# Allegro board ultrasound_tnr_1000a_01_20171121.brd (continued)
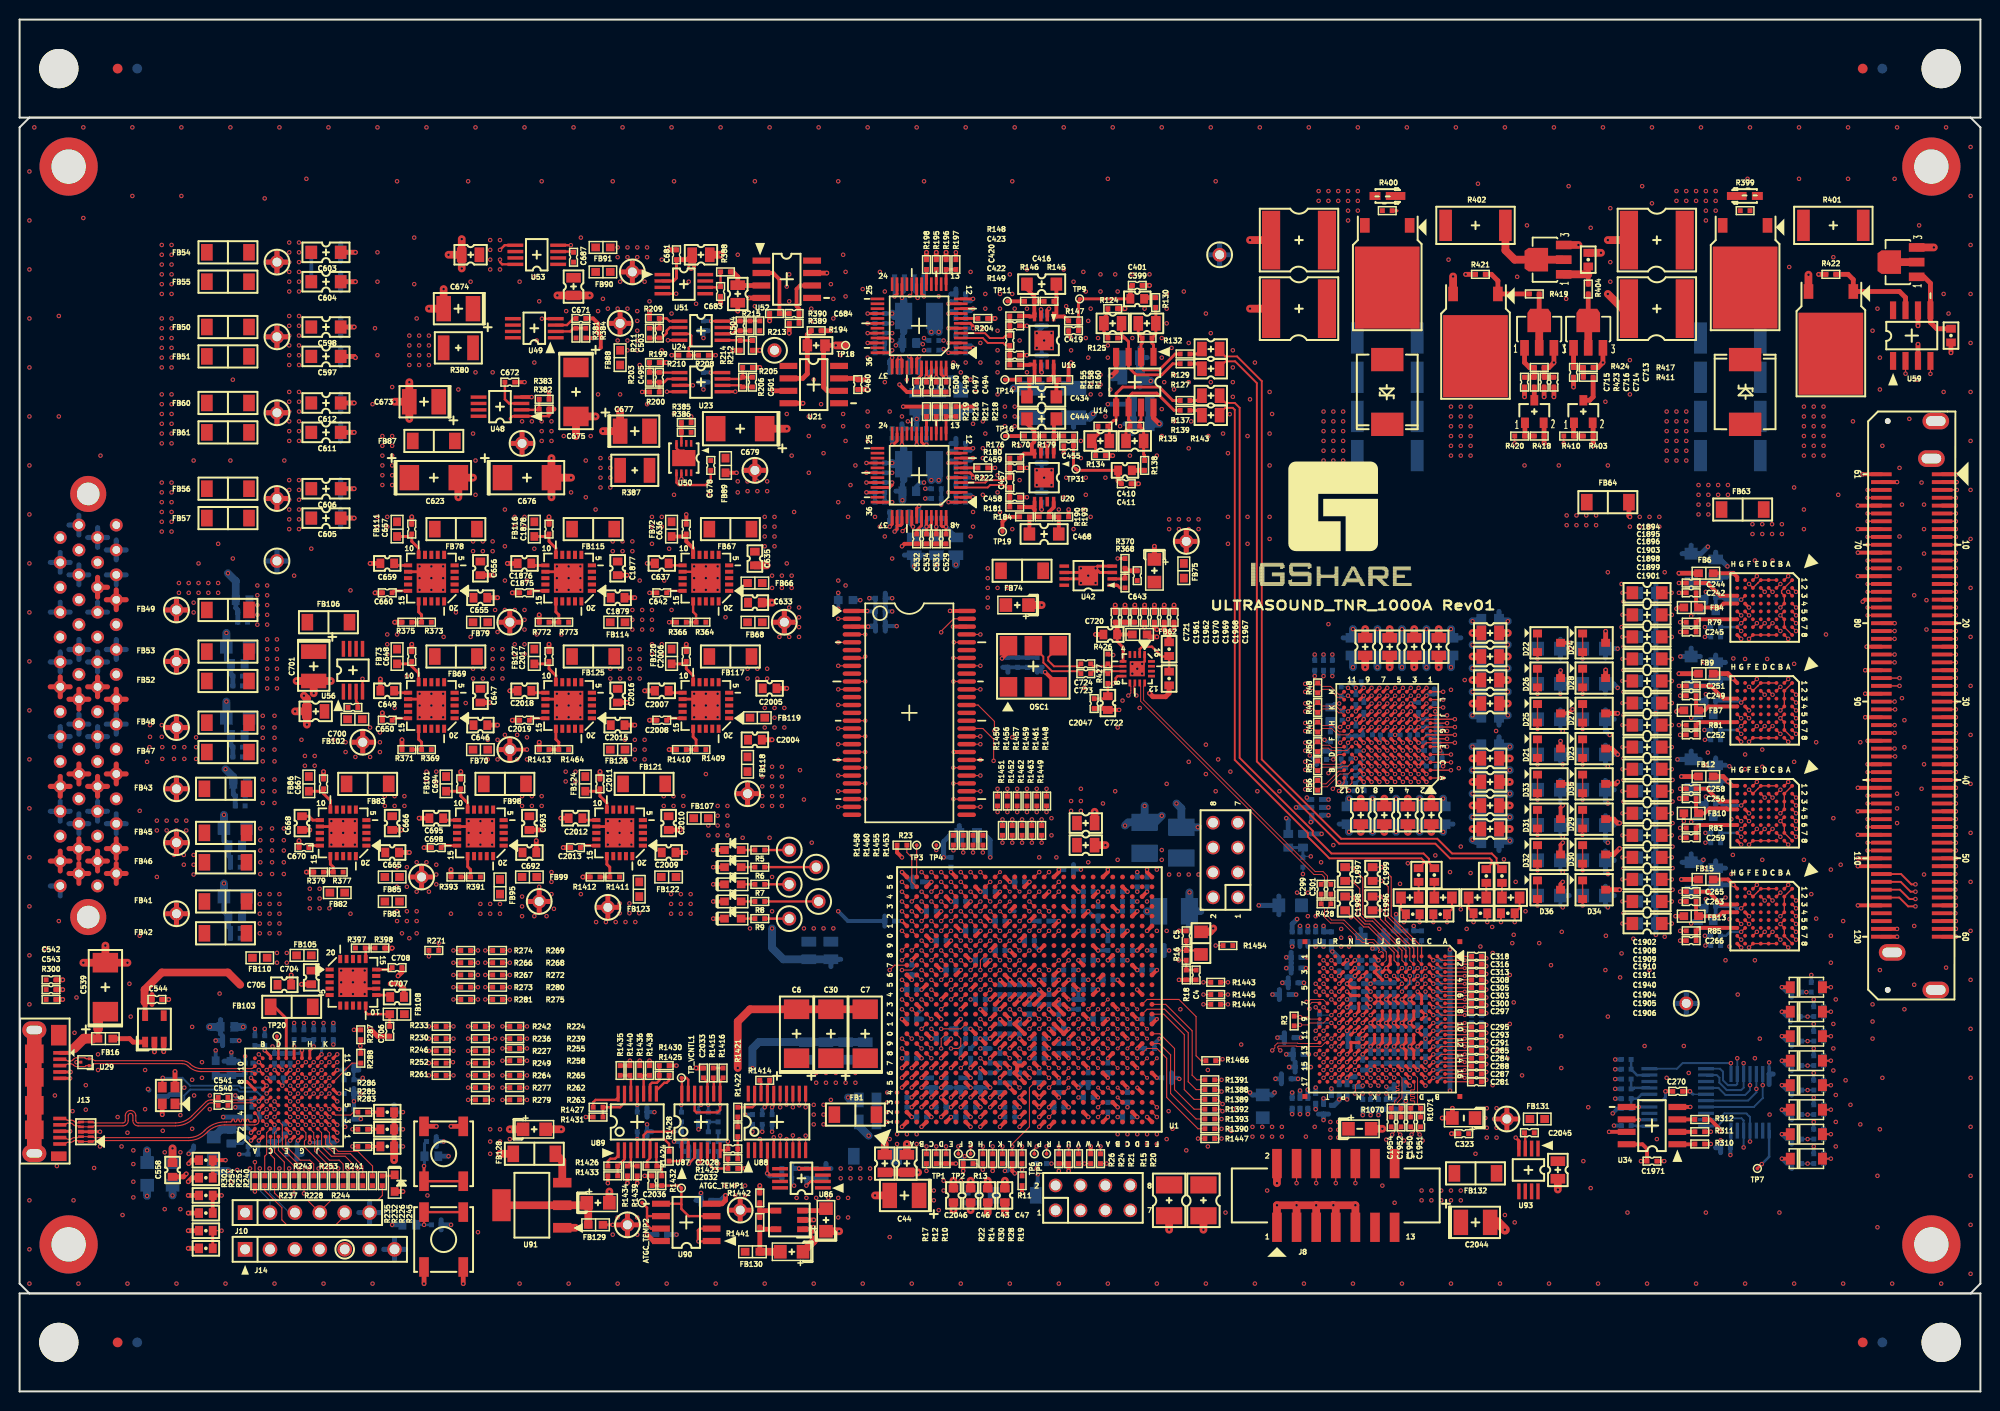
[diagram p0: board, top side]
## Routing (per net, layer and track width the routed paths; a pad name or vN(x,y) marks a point on that pad's centre or on a via; arc(x,y) is an arc through that point) (continued)
FLAGB: length 56.3
  TOP w0.115: R272.1 v1(50,42.5) ; U1.G17 v1(96,44)
  SIG2 w0.13: v1(50,42.5) 50.25,42.75 69.03,42.75 69.16,42.62 69.16,42.29 69.29,42.16 69.55,42.16 69.68,42.29 69.68,42.62 69.81,42.75 70.07,42.75 70.2,42.62 70.2,42.29 70.33,42.16 70.59,42.16 70.72,42.29 70.72,42.62 70.85,42.75 71.11,42.75 71.24,42.62 71.24,42.29 71.37,42.16 71.63,42.16 71.76,42.29 71.76,42.62 71.89,42.75 72.15,42.75 72.28,42.62 72.28,42.29 72.41,42.16 72.67,42.16 72.8,42.29 72.8,42.62 72.93,42.75 73.19,42.75 73.32,42.62 73.32,42.29 73.45,42.16 73.71,42.16 73.84,42.29 73.84,42.62 73.97,42.75 74.23,42.75 74.36,42.62 74.36,42.29 74.49,42.16 74.75,42.16 74.88,42.29 74.88,42.62 75.01,42.75 75.27,42.75 75.4,42.62 75.4,42.29 75.53,42.16 75.79,42.16 75.92,42.29 75.92,42.62 76.05,42.75 86.25,42.75 87.5,41.5 94.75,41.5 95.25,41.5 95.5,41.75 95.5,43.5 v1(96,44)
FLAGC: length 63.6
  TOP w0.115: R273.1 v1(46.75,41.25) ; v1(97,43) U1.H17
  SIG2 w0.13: v1(97,43) 96.5,42.5 96.5,40.75 96.25,40.5 87.75,40.5 86.5,41.75 62.27,41.75 62.14,41.88 62.14,42.23 62.01,42.36 61.75,42.36 61.62,42.23 61.62,41.88 61.49,41.75 61.23,41.75 61.1,41.88 61.1,42.23 60.97,42.36 60.71,42.36 60.58,42.23 60.58,41.88 60.45,41.75 60.19,41.75 60.06,41.88 60.06,42.23 59.93,42.36 59.67,42.36 59.54,42.23 59.54,41.88 59.41,41.75 59.15,41.75 59.02,41.88 59.02,42.23 58.89,42.36 58.63,42.36 58.5,42.23 58.5,41.88 58.37,41.75 58.11,41.75 57.98,41.88 57.98,42.23 57.85,42.36 57.59,42.36 57.46,42.23 57.46,41.88 57.33,41.75 57.07,41.75 56.94,41.88 56.94,42.23 56.81,42.36 56.55,42.36 56.42,42.23 56.42,41.88 56.29,41.75 56.03,41.75 55.9,41.88 55.9,42.23 55.77,42.36 55.51,42.36 55.38,42.23 55.38,41.88 55.25,41.75 54.99,41.75 54.86,41.88 54.86,42.23 54.73,42.36 54.47,42.36 54.34,42.23 54.34,41.88 54.21,41.75 53.95,41.75 53.82,41.88 53.82,42.23 53.69,42.36 53.43,42.36 53.3,42.23 53.3,41.88 53.17,41.75 52.91,41.75 52.78,41.88 52.78,42.23 52.65,42.36 52.39,42.36 52.26,42.23 52.26,41.88 52.13,41.75 47.25,41.75 v1(46.75,41.25)
FLAGD: length 56.8
  TOP w0.115: R275.1 v1(50,40) ; U1.L17 v1(101,43)
  SIG2 w0.13: v1(50,40) 85,40 87.5,37.5 96.73,37.5 97.73,38.5 98.25,38.5 99.5,39.75 99.5,40.5 100.5,41.5 100.5,42.5 v1(101,43)
FPGA_CLKN: length 34.5
  TOP w0.095: U60.10 113.75,72.05 113.65,71.95 113.65,71.69 113.65,71.28 v1(113.91,71.02) ; U1.N22 v1(102,48)
  SIG4 w0.105: v1(113.91,71.02) 113.63,70.73 113.63,70.4 113.69,70.33 113.83,70.33 113.9,70.26 113.9,70.17 113.83,70.1 113.69,70.1 113.63,70.03 113.63,68.21 106.5,61.09 106.5,56.79 104.72,55.01 102.11,55.01 100.61,53.51 100.61,47.82 100.81,47.62 101.89,47.62 102,47.73 v1(102,48)
FPGA_CLKP: length 34.6
  TOP w0.095: v1(113.09,71.02) 113.35,71.28 113.35,71.56 113.35,71.95 113.25,72.05 U60.9 ; U1.N21 v1(102,47)
  SIG4 w0.105: v1(102,47) 102,47.27 101.89,47.38 100.7,47.38 100.36,47.72 100.36,53.61 102.01,55.26 104.62,55.26 106.25,56.89 106.25,61.19 113.38,68.32 113.38,70.73 v1(113.09,71.02)
FPGA_INT: length 81
  TOP w0.115: 34.8,35.3 v1(34.75,35.25) ; R287.2 34.8,35.7 ; v1(93,47) U1.D20
  TOP w0.3: 34.8,35.7 R288.1
  SIG2 w0.13: v1(93,47) 92.5,47.5 89.25,47.5 87.75,46 60.37,46 60.24,46.13 60.24,46.63 60.11,46.76 59.85,46.76 59.72,46.63 59.72,46.13 59.59,46 59.33,46 59.2,46.13 59.2,46.63 59.07,46.76 58.81,46.76 58.68,46.63 58.68,46.13 58.55,46 58.29,46 58.16,46.13 58.16,46.63 58.03,46.76 57.77,46.76 57.64,46.63 57.64,46.13 57.51,46 57.25,46 57.12,46.13 57.12,46.63 56.99,46.76 56.73,46.76 56.6,46.63 56.6,46.13 56.47,46 56.21,46 56.08,46.13 56.08,46.63 55.95,46.76 55.69,46.76 55.56,46.63 55.56,46.13 55.43,46 55.17,46 55.04,46.13 55.04,46.63 54.91,46.76 54.65,46.76 54.52,46.63 54.52,46.13 54.39,46 54.13,46 54,46.13 54,46.63 53.87,46.76 53.61,46.76 53.48,46.63 53.48,46.13 53.35,46 53.09,46 52.96,46.13 52.96,46.63 52.83,46.76 52.57,46.76 52.44,46.63 52.44,46.13 52.31,46 52.05,46 51.92,46.13 51.92,46.63 51.79,46.76 51.53,46.76 51.4,46.63 51.4,46.13 51.27,46 51.01,46 50.88,46.13 50.88,46.63 50.75,46.76 50.49,46.76 50.36,46.63 50.36,46.13 50.23,46 49.97,46 49.84,46.13 49.84,46.63 49.71,46.76 49.45,46.76 49.32,46.63 49.32,46.13 49.19,46 43.75,46 42.92,45.17 41.57,45.17 41,44.6 41,44 36.25,39.25 36.25,36.5 35,35.25 v1(34.75,35.25)
FPGA_TCK: length 42.1
  TOP w0.115: J8.6 v1(132.25,21.25) ; R13.1 97.62,23.25 v1(98.25,22.62) R22.2
  SIG1 w0.13: v1(132.25,21.25) 132.25,21 130.75,19.5 104.25,19.5 102.75,21 98.5,21 98.25,21.25 v1(98.25,22.62)
  BOTTOM w0.115: R13.1 97.62,23.25 v1(98.25,22.62)
FPGA_TDI: length 32.3
  TOP w0.115: J8.10 v1(136.25,21.25) ; R15.1 v1(108.62,23.25) R21.2
  SIG1 w0.13: v1(136.25,21.25) 133.75,23.75 108.88,23.75 108.62,23.5 v1(108.62,23.25)
FPGA_TDO: length 26.8
  TOP w0.115: J8.8 v1(134.25,21.25) ; R20.2 v1(110.88,23.25)
  SIG1 w0.13: v1(110.88,23.25) 132.25,23.25 v1(134.25,21.25)
FPGA_TMS: length 33
  TOP w0.115: J8.4 v1(130.25,21.25) ; R11.1 v1(102.25,22.62) R19.2
  SIG1 w0.13: v1(102.25,22.62) 102.25,22.38 104.62,20 129,20 v1(130.25,21.25)
FSLC0: length 11.6
  TOP w0.115: U26.B2 v1(24.4,26.4)
  TOP w0.4: R293.1 R296.2 v1(20.6,20)
  SIG1 w0.13: v1(24.4,26.4) 24,26 24,24.6 22.8,23.4 22.8,21.6 21.2,20 v1(20.6,20)
FSLC1: length 10.6
  TOP w0.115: U26.B4 v1(25.2,28.8)
  TOP w0.4: v1(21,23.6) R294.1 R297.2
  SIG1 w0.13: v1(25.2,28.8) 21,24.6 v1(21,23.6)
FSLC2: length 21.2
  TOP w0.115: 19.6,16.4 R298.2 v1(20.6,16.4) ; U26.E6 v1(27.6,29.6)
  TOP w0.3: R295.1 R298.2
  SIG4 w0.13: v1(27.6,29.6) 27.4,29.6 26.8,29 26.8,24.8 26,24 26,20.75 24.75,19.5 22,19.5 20.6,18.1 v1(20.6,16.4)
FX3_CLK: length 56.9
  TOP w0.115: v1(94,45) U1.E18 ; R265.1 v1(51.75,32.25)
  SIG3 w0.13: v1(51.75,32.25) 54.66,32.25 57.99,35.58 57.99,35.95 58.12,36.08 59,36.08 59.13,36.21 59.13,36.54 58.77,36.9 58.77,37.09 58.95,37.27 59.14,37.27 59.61,36.8 59.8,36.8 59.98,36.98 59.98,37.16 59.5,37.64 59.5,37.82 59.69,38.01 59.87,38.01 60.35,37.53 60.53,37.53 60.71,37.71 60.71,37.9 60.48,38.13 60.48,38.44 61.03,38.99 61.03,39.18 60.7,39.51 60.7,39.7 60.88,39.88 61.06,39.88 61.4,39.54 61.58,39.54 61.77,39.73 61.77,39.91 61.43,40.25 61.43,40.43 61.61,40.61 61.8,40.61 62.05,40.36 62.4,40.36 63.55,41.51 93.37,41.51 93.5,41.64 93.5,44.5 v1(94,45)
GPIO1: length 59.8
  TOP w0.115: v1(98,41) U1.J15 ; R277.1 v1(48.25,31)
  SIG3 w0.13: v1(98,41) U1.J15 98.5,42.25 98.25,42.5 94.75,42.5 94.5,42.25 94.5,41.75 93.25,40.5 64.57,40.5 63.77,39.7 63.59,39.7 63.45,39.84 63.27,39.84 63.08,39.65 63.08,39.47 63.27,39.28 63.27,39.1 63.09,38.91 62.9,38.91 62.72,39.1 62.53,39.1 62.35,38.92 62.35,38.73 62.53,38.55 62.53,38.36 55.67,31.5 48.75,31.5 v1(48.25,31)
GPIO2: length 61.6
  TOP w0.115: v1(98,42) U1.J16 ; R279.1 v1(48.25,29.75)
  SIG3 w0.13: v1(98,42) 97.5,41.5 94.75,41.5 94.5,41.25 94.5,39.75 94.25,39.5 64.95,39.5 64.54,39.09 64.54,38.91 64.99,38.47 64.99,38.29 64.8,38.1 64.62,38.1 64.18,38.54 63.99,38.54 63.81,38.36 63.81,38.18 64.25,37.73 64.25,37.55 64.07,37.37 63.88,37.37 63.44,37.81 63.26,37.81 63.07,37.62 63.07,37.44 63.51,37 63.51,36.81 63.33,36.63 63.15,36.63 62.72,37.06 62.51,37.06 55.7,30.25 48.72,30.25 48.25,29.78 v1(48.25,29.75)
GPIO45: length 23
  TOP w0.115: U26.F2 v1(28.4,26.4)
  TOP w0.25: SW1.2 SW1.1
  TOP w0.3: SW1.1 v1(41.25,23)
  SIG3 w0.13: v1(41.25,23) 37,23 34,26 28.8,26 v1(28.4,26.4)
  BOTTOM w0.3: C535.1 41.3,25.3 R270.1 41.3,23.05 v1(41.25,23)
GPIO[50]: length 87.3
  TOP w0.115: R10.1 v1(94.5,25) ; U1.J7 v1(98,34) ; R237.1 v1(28,20.2)
  SIG1 w0.13: v1(28,20.2) 28,19.75 28.25,19.5 29.95,19.5 30.25,19.8 37.45,19.8 38.45,18.8 67.7,18.8 71.5,15 86.75,15 94.5,22.75 v1(94.5,25)
  SIG4 w0.13: v1(98,34) 97.5,33.5 97.5,29.25 94.5,26.25 v1(94.5,25)
GPIO[52]: length 83.1
  TOP w0.115: R243.1 v1(29,20.2) ; R12.1 v1(93.5,25) ; U1.G7 v1(96,33)
  SIG1 w0.13: v1(93.5,25) 93.5,22.65 86.35,15.5 71.75,15.5 68.05,19.2 38.8,19.2 37.8,20.2 v1(29,20.2)
  SIG4 w0.13: v1(96,33) 95.5,32.5 95.5,27.75 93.5,25.75 v1(93.5,25)
GPIO_RSV_N0: length 42.7
  TOP w0.095: U1.T25 v1(106,52)
  SIG3 w0.105: v1(106,52) 106,51.73 106.11,51.62 106.27,51.62 106.84,52.2 106.84,56.66 107.38,57.19 108.31,57.19 108.56,56.94 108.56,56.09 108.66,55.99 109.08,55.99 109.19,56.09 109.19,56.94 109.44,57.19 113.48,57.19 113.73,56.94 113.73,56.13 113.84,56.03 114.26,56.03 114.36,56.13 114.36,56.94 114.61,57.19 115.51,57.19 115.96,56.74 115.96,55.34 115.5,54.88 110.22,54.88 109.91,54.57 109.91,52.9 110.36,52.45 116.15,52.45 116.79,51.81 121.44,51.81 121.73,52.1 J1.4
GPIO_RSV_N1: length 42.7
  TOP w0.095: U1.R20 v1(105,47)
  SIG3 w0.105: J1.8 121.73,57.11 121.92,56.92 122.07,56.92 123,57.85 123,60.37 123.58,60.95 125.31,60.95 126,60.26 126,50.1 122.1,46.2 105.78,46.2 105.38,46.6 105.38,46.9 105.27,47 v1(105,47)
GPIO_RSV_N2: length 14.4
  TOP w0.115: U1.AB4 v2(111,31)
  SIG3 w0.13: v2(111,31) 110.5,30.5 110.5,26.75 109.75,26 109.75,24.5 109.5,24.25 109.5,19.75 108.23,18.48 J18.3
GPIO_RSV_N3: length 13.8
  TOP w0.115: U1.AC3 v2(112,30)
  SIG3 w0.13: J18.7 113.29,18.54 114.5,19.75 114.5,22.5 112.5,24.5 U1.AC3 v2(112,30)
GPIO_RSV_N4: length 31.9
  TOP w0.115: U1.F10 96,36 96,35.25 95.75,35 v1(95,35)
  SIG2 w0.13: J18.4 108.25,21.06 108.25,22.25 107.5,23 107.5,25.25 107.25,25.5 95,25.5 93.5,27 93.5,35.25 93.75,35.5 94.5,35.5 v1(95,35)
GPIO_RSV_N5: length 33.7
  TOP w0.115: U1.D10 v1(93,37)
  SIG2 w0.13: J18.8 112.48,21.02 109.75,23.75 109.75,25.25 108.5,26.5 96.5,26.5 95.5,27.5 95.5,36.37 95.37,36.5 U1.D10 v1(93,37)
GPIO_RSV_P0: length 42.7
  TOP w0.095: U1.T24 v1(106,51)
  SIG3 w0.105: J1.2 121.73,51.3 121.47,51.56 116.69,51.56 116.05,52.2 110.26,52.2 109.66,52.8 109.66,54.67 110.12,55.13 115.4,55.13 115.71,55.44 115.71,56.64 115.41,56.94 114.72,56.94 114.61,56.84 114.61,56.03 114.36,55.78 113.73,55.78 113.48,56.03 113.48,56.84 113.38,56.94 109.54,56.94 109.44,56.84 109.44,55.99 109.19,55.74 108.56,55.74 108.31,55.99 108.31,56.84 108.2,56.94 107.48,56.94 107.09,56.55 107.09,52.09 106.38,51.38 106.11,51.38 106,51.27 v1(106,51)
GPIO_RSV_P1: length 42.7
  TOP w0.095: U1.T20 v1(106,47)
  SIG3 w0.105: J1.6 121.73,56.43 121.94,56.65 122.14,56.65 123.25,57.75 123.25,60.27 123.68,60.7 125.21,60.7 125.75,60.16 125.75,50.2 122,46.45 107.65,46.45 107.58,46.52 107.58,46.66 107.51,46.73 107.42,46.73 107.35,46.66 107.35,46.52 107.28,46.45 107.19,46.45 107.12,46.52 107.12,46.66 107.05,46.73 106.95,46.73 106.89,46.66 106.89,46.52 106.82,46.45 106.72,46.45 106.65,46.52 106.65,46.66 106.59,46.73 106.49,46.73 106.42,46.66 106.42,46.52 106.35,46.45 105.88,46.45 105.62,46.7 105.62,46.9 105.73,47 v1(106,47)
GPIO_RSV_P2: length 15.1
  TOP w0.115: U1.AA4 v2(110,31)
  SIG3 w0.13: v2(110,31) 109.5,30.5 109.5,27 108.75,26.25 108.75,24.75 108,24 108,22.5 107,21.5 107,19.75 105.73,18.48 J18.1
GPIO_RSV_P3: length 14.2
  TOP w0.115: U1.AC4 v2(112,31)
  SIG3 w0.13: J18.5 110.75,18.5 112,19.75 112,23.5 111.5,24 111.5,30.5 v2(112,31)
GPIO_RSV_P4: length 28.5
  TOP w0.115: v1(94,37) 96,37 U1.G11
  SIG3 w0.13: v1(94,37) 94.5,36.5 94.5,26.5 95.25,25.75 103.75,25.75 104.25,25.25 104.25,23.25 105.67,21.83 J18.2
GPIO_RSV_P5: length 29.9
  TOP w0.115: U1.E10 94,36 v1(94,35)
  SIG2 w0.13: J18.6 110.75,22 108.5,24.25 108.5,25.5 108,26 95.5,26 94.5,27 94.5,34.5 v1(94,35)
HV_AHVN1: length 28.9
  TOP w0.3: U3.J5 v1(141.1,69.4) ; U3.K8 v1(138.7,70.2) ; U3.L8 v1(138.7,71) ; U3.J7 v1(139.5,69.4) ; U3.J6 v1(140.3,69.4) ; U3.M8 v1(138.7,71.8) ; U3.J8 v1(138.7,69.4) ; U3.J4 v1(141.9,69.4) ; U3.H4 v1(141.9,68.6)
  TOP w0.527: TH2.1 27.31,115.25 ; TH2.1 26.25,116.31 ; TH2.1 25.19,115.25 ; TH2.1 26.25,114.19
  TOP w0.8: C166.1 v1(148.2,77.4) ; C165.1 v1(148.2,75) ; C167.1 v1(148.2,70.2) ; C163.1 v1(148.2,72.6)
  VCC2 w0.527: 26.25,114.19 TH2.1 ; TH2.1 26.25,116.31 ; TH2.1 27.31,115.25 ; TH2.1 25.19,115.25
  BOTTOM w0.4: C604.1 C603.1
  BOTTOM w0.527: TH2.1 27.31,115.25 ; TH2.1 25.19,115.25 ; TH2.1 26.25,114.19 ; TH2.1 26.25,116.31
  BOTTOM w0.8: C171.1 v1(148.2,76.2) ; C169.1 v1(148.2,71.4) ; C164.1 v1(148.2,78.6) ; C168.1 v1(148.2,69) ; C170.1 v1(148.2,73.8)
  vias: v1(27.5,117.25) v1(27.5,116.25) v1(27.5,115.25) v1(27.5,114.25) v1(27.5,113.25) v1(27.5,112.25) v1(28.5,117.25) v1(28.5,116.25) v1(28.5,115.25) v1(28.5,114.25) v1(28.5,113.25) v1(28.5,112.25) v1(157.8,89.4) v1(157.8,88.4) v1(158.8,89.4) v1(158.8,88.4) v1(159.8,89.4) v1(159.8,88.4) v1(160.8,89.4) v1(160.8,88.4)
HV_AHVN1_IN: length 14.2
  SIG3 w0.527: J12.57 4.14,88.16 ; J12.57 5.15,87.14 ; J12.57 4.14,86.13 ; J12.57 3.13,87.14 ; 5.04,85.88 J12.55 ; J12.55 6.05,86.89 ; J12.55 6.05,84.86
  VCC2 w0.527: J12.57 5.15,87.14 ; J12.57 4.14,88.16 ; J12.57 3.13,87.14 ; J12.57 4.14,86.13 ; 5.04,85.88 J12.55 ; J12.55 6.05,84.86 ; J12.55 6.05,86.89
  vias: v1(14.5,117) v1(14.5,116) v1(14.5,115) v1(14.5,114) v1(14.5,113) v1(14.5,112) v1(15.5,117) v1(15.5,116) v1(15.5,115) v1(15.5,114) v1(15.5,113) v1(15.5,112)
HV_AHVN2: length 12.7
  TOP w0.527: 25.19,99.88 TH4.1 ; TH4.1 26.25,98.81 ; TH4.1 27.31,99.88 ; TH4.1 26.25,100.94
  SIG4 w0.527: 25.19,99.88 TH4.1 ; TH4.1 26.25,100.94 ; TH4.1 27.31,99.88 ; TH4.1 26.25,98.81
  BOTTOM w0.527: 25.19,99.88 TH4.1 ; TH4.1 26.25,98.81 ; TH4.1 26.25,100.94 ; TH4.1 27.31,99.88
  vias: v1(27.5,102) v1(27.5,101) v1(27.5,100) v1(27.5,99) v1(27.5,98) v1(27.5,97) v1(28.5,102) v1(28.5,101) v1(28.5,100) v1(28.5,99) v1(28.5,98) v1(28.5,97) v1(132.5,122.5) v1(132.5,121.5) v1(133.5,122.5) v1(133.5,121.5) v1(134.5,122.5) v1(134.5,121.5) v1(135.5,122.5) v1(135.5,121.5) v1(135.5,120.5) v1(135.5,119.5) v1(136.5,122.5) v1(136.5,121.5) v1(136.5,120.5)
HV_AHVN2_IN: length 16.2
  SIG4 w0.527: J12.56 9.86,86.89 ; J12.56 10.87,85.88 ; J12.56 8.85,85.88 ; J12.56 9.86,84.86 ; J12.58 8.96,87.14 ; J12.58 7.95,88.16 ; J12.58 7.95,86.13 ; J12.58 6.94,87.14
  BOTTOM w0.527: J12.58 7.95,88.16 ; J12.58 6.94,87.14 ; J12.58 7.95,86.13 ; J12.58 8.96,87.14 ; J12.56 9.86,86.89 ; J12.56 9.86,84.86 ; J12.56 10.87,85.88 ; J12.56 8.85,85.88
  vias: v1(14.5,101.75) v1(14.5,100.75) v1(14.5,99.75) v1(14.5,98.75) v1(14.5,97.75) v1(14.5,96.75) v1(15.5,101.75) v1(15.5,100.75) v1(15.5,99.75) v1(15.5,98.75) v1(15.5,97.75) v1(15.5,96.75)
HV_AHVP1: length 26
  TOP w0.3: U3.D7 v1(139.5,64.6) ; U3.D6 v1(140.3,64.6) ; U3.C8 v1(138.7,63.8) ; U3.D5 v1(141.1,64.6) ; U3.B8 v1(138.7,63) ; U3.D8 v1(138.7,64.6) ; U3.A8 v1(138.7,62.2) ; U3.E4 v1(141.9,65.4) ; U3.D4 v1(141.9,64.6)
  TOP w0.527: TH1.1 27.31,107.62 ; TH1.1 26.25,108.69 ; TH1.1 25.19,107.62 ; TH1.1 26.25,106.56
  TOP w0.8: C143.1 v1(148.2,59.8) ; C142.1 v1(148.2,64.6) ; C146.1 v1(148.2,57.4) ; C144.1 v1(148.2,62.2)
  VCC1 w0.527: TH1.1 27.31,107.62 ; TH1.1 26.25,108.69 ; TH1.1 26.25,106.56 ; TH1.1 25.19,107.62
  BOTTOM w0.527: TH1.1 27.31,107.62 ; TH1.1 26.25,108.69 ; TH1.1 26.25,106.56 ; TH1.1 25.19,107.62
  BOTTOM w0.8: v1(148.2,56.3) 148.4,56.3 148.5,56.2 C149.1 ; C147.1 v1(148.2,63.4) ; C145.1 v1(148.2,65.8) ; C141.1 v1(148.2,61) ; C148.1 v1(148.2,58.6)
  vias: v1(27.5,109.75) v1(27.5,108.75) v1(27.5,107.75) v1(27.5,106.75) v1(27.5,105.75) v1(27.5,104.75) v1(28.5,109.75) v1(28.5,108.75) v1(28.5,107.75) v1(28.5,106.75) v1(28.5,105.75) v1(28.5,104.75)
HV_AHVP1_IN: length 16.2
  VCC1 w0.527: 5.04,80.8 J12.47 ; J12.47 6.05,81.81 ; J12.47 7.06,80.8 ; J12.47 6.05,79.78 ; 4.14,81.05 J12.49 ; J12.49 3.13,82.06 ; J12.49 5.15,82.06 ; J12.49 4.14,83.08
  SIG2 w0.527: J12.49 5.15,82.06 ; J12.49 4.14,81.05 ; J12.49 3.13,82.06 ; J12.49 4.14,83.08 ; J12.47 7.06,80.8 ; J12.47 5.04,80.8 ; J12.47 6.05,81.81 ; J12.47 6.05,79.78
  vias: v1(14.5,109.5) v1(14.5,108.5) v1(14.5,107.5) v1(14.5,106.5) v1(14.5,105.5) v1(14.5,104.5) v1(15.5,109.5) v1(15.5,108.5) v1(15.5,107.5) v1(15.5,106.5) v1(15.5,105.5) v1(15.5,104.5)
HV_AHVP2: length 12.7
  TOP w0.527: TH3.1 27.31,91.12 ; TH3.1 26.25,90.06 ; TH3.1 25.19,91.12 ; TH3.1 26.25,92.19
  SIG1 w0.527: TH3.1 27.31,91.12 ; TH3.1 25.19,91.12 ; TH3.1 26.25,92.19 ; TH3.1 26.25,90.06
  BOTTOM w0.527: TH3.1 26.25,92.19 ; TH3.1 25.19,91.12 ; TH3.1 27.31,91.12 ; TH3.1 26.25,90.06
  vias: v1(27.5,93) v1(27.5,92) v1(27.5,91) v1(27.5,90) v1(27.5,89) v1(27.5,88) v1(28.5,93) v1(28.5,92) v1(28.5,91) v1(28.5,90) v1(28.5,89) v1(28.5,88) v1(169,122.5) v1(169,121.5) v1(170,122.5) v1(170,121.5) v1(171,122.5) v1(171,121.5) v1(172,122.5) v1(172,121.5) v1(172,120.5) v1(172,119.5) v1(173,122.5) v1(173,121.5) v1(173,120.5)
HV_AHVP2_IN: length 14.2
  TOP w0.527: J12.50 7.95,83.08 ; J12.50 8.96,82.06 ; J12.50 7.95,81.05 ; J12.48 10.87,80.8 ; J12.48 8.85,80.8 ; J12.48 9.86,81.81 ; J12.48 9.86,79.78
  SIG1 w0.527: J12.48 10.87,80.8 ; J12.48 8.85,80.8 ; J12.48 9.86,81.81 ; J12.48 9.86,79.78 ; J12.50 7.95,83.08 ; J12.50 7.95,81.05 ; J12.50 8.96,82.06
  vias: v1(14.5,92.75) v1(14.5,91.75) v1(14.5,90.75) v1(14.5,89.75) v1(14.5,88.75) v1(14.5,87.75) v1(15.5,92.75) v1(15.5,91.75) v1(15.5,90.75) v1(15.5,89.75) v1(15.5,88.75) v1(15.5,87.75)
HVMUX_CLK: length 132.3
  TOP w0.115: R1450.2 v1(99.75,61.5)
  TOP w0.14: U6.G5 v1(176.4,58.2) ; U4.G5 v1(176.4,79.2) ; U7.G5 v1(176.4,47.7) ; U5.G5 v1(176.4,68.7)
  SIG2 w0.13: v1(176.4,47.7) 176.8,48.1 176.8,57.8 v1(176.4,58.2) 176.8,58.6 176.8,68.3 v1(176.4,68.7) 176.8,69.1 176.8,78.8 v1(176.4,79.2) 176.8,79.6 176.8,83.8 173,87.6 155.6,87.6 154.4,88.8 134,88.8 112.2,67 102.6,67 99.75,64.15 v1(99.75,61.5)
HVMUX_CLR: length 123.6
  TOP w0.115: R1449.2 v1(104.25,58.38)
  SIG2 w0.13: v1(171.95,45.5) 171.7,45.5 171.2,46 171.2,55 171.95,55.75 v1(171.95,56) 171.95,56.25 171.2,57 171.2,65.6 171.9,66.3 v1(171.9,66.5) 171.9,66.7 171.2,67.4 171.2,74.75 171.9,75.45 v1(171.9,77) 171.75,77 171.25,77.5 171.25,82.75 170,84 153.8,84 152.8,85 137,85 114.5,62.5 104.75,62.5 104.25,62 v1(104.25,58.38)
  BOTTOM w0.25: v1(171.9,66.5) R82.2 ; R80.2 v1(171.9,77) ; v1(171.95,56) R84.2 ; v1(171.95,45.5) R86.2
HVMUX_DIN0: length 99.5
  TOP w0.115: R1451.2 v1(100.25,58.38)
  TOP w0.14: U4.H5 v1(175.6,79.2)
  SIG2 w0.13: v1(100.25,58.38) 100.25,64 102.75,66.5 112.5,66.5 134.4,88.4 154.2,88.4 155.4,87.2 172.8,87.2 176,84 176,79.6 v1(175.6,79.2)
HVMUX_DIN1: length 106.3
  TOP w0.115: R1452.2 v1(101.25,58.38)
  TOP w0.14: U5.H5 v1(175.6,68.7)
  SIG2 w0.13: v1(101.25,58.38) 101.25,63.5 103.25,65.5 113,65.5 135.1,87.6 153.8,87.6 155,86.4 171.2,86.4 174.7,82.9 174.7,76.5 175.2,76 U5.H5 v1(175.6,68.7)
HVMUX_DIN2: length 114.1
  TOP w0.115: R1462.2 v1(102.25,58.38)
  TOP w0.14: U6.H5 v1(175.6,58.2)
  SIG2 w0.13: v1(102.25,58.38) 102.25,63 103.75,64.5 113.5,64.5 135.8,86.8 153.4,86.8 154.6,85.6 170.8,85.6 173.9,82.5 173.9,68.3 174.6,67.6 174.6,64.4 175,64 175,58.8 v1(175.6,58.2)
HVMUX_DIN3: length 121.9
  TOP w0.115: R1463.2 v1(103.25,58.38)
  TOP w0.14: U7.H5 v1(175.6,47.7)
  SIG2 w0.13: v1(175.6,47.7) 173.1,50.2 173.1,82.1 170.4,84.8 154.2,84.8 153.1,85.9 136.4,85.9 114,63.5 104.25,63.5 103.25,62.5 v1(103.25,58.38)
HVMUX_DOUT0: length 96.3
  TOP w0.115: R1456.2 v1(100.75,61.5)
  TOP w0.14: U4.H7 v1(175.6,77.6)
  SIG2 w0.13: v1(175.6,77.6) U4.H7 175.2,84 172.4,86.8 155.2,86.8 154,88 134.75,88 112.75,66 103,66 100.75,63.75 v1(100.75,61.5)
HVMUX_DOUT1: length 103.5
  TOP w0.115: R1457.2 v1(101.75,61.5)
  TOP w0.14: U5.H7 v1(175.6,67.1)
  SIG2 w0.13: v1(175.6,67.1) 174.3,68.4 174.3,82.7 171,86 154.8,86 153.6,87.2 135.45,87.2 113.25,65 103.5,65 101.75,63.25 v1(101.75,61.5)
HVMUX_DOUT2: length 111.4
  TOP w0.115: R1459.2 v1(102.75,61.5)
  TOP w0.14: U6.H7 v1(175.6,56.6)
  SIG2 w0.13: v1(102.75,61.5) 102.75,62.75 104,64 113.75,64 136.15,86.4 153.2,86.4 154.4,85.2 170.6,85.2 173.5,82.3 173.5,58.7 v1(175.6,56.6)
HVMUX_DOUT3: length 119.1
  TOP w0.115: R1461.2 v1(103.75,61.5)
  TOP w0.14: U7.H7 v1(175.6,46.1)
  SIG2 w0.13: v1(103.75,61.5) 103.75,62.25 104.5,63 114.25,63 136.75,85.5 152.9,85.5 154,84.4 170.2,84.4 172.7,81.9 172.7,49 v1(175.6,46.1)
HVMUX_EN: length 117.1
  TOP w0.115: R1448.2 v1(104.75,61.5)
  TOP w0.15: R83.2 v1(169.38,57.5) ; v1(169.25,68) R81.2 ; R79.2 v1(169.38,78.5) ; R85.2 v1(169.38,47)
  SIG2 w0.13: 169.5,78.5 170,78 170,68.75 v1(169.25,68) 169.75,68 170,67.75 170,59.5 169.25,58.75 169.25,57.75 169.38,57.62 v1(169.38,57.5) 170,56.88 170,47.5 169.5,47 v1(169.38,47) ; 169.5,78.5 170,79 170,82.6 169.6,83 154.2,83 152.7,84.5 137.25,84.5 114.75,62 105,62 104.75,61.75 v1(104.75,61.5) ; 169.5,78.5 v1(169.38,78.5)
HVN_CW: length 15.9
  TOP w0.3: U3.J9 v1(137.9,69.4) ; U3.H5 v1(141.1,68.6) ; U3.H7 v1(139.5,68.6) ; U3.L9 v1(137.9,71) ; U3.H8 v1(138.7,68.6) ; U3.H6 v1(140.3,68.6) ; U3.M9 v1(137.9,71.8) ; U3.H9 v1(137.9,68.6) ; U3.K9 v1(137.9,70.2)
  TOP w0.8: C173.1 v1(137.25,73.9) ; C172.1 v1(139.75,73.9) ; C176.1 v1(144.75,73.9) ; C180.1 v1(142.25,73.9)
  BOTTOM w0.8: C177.1 v1(136,73.9) ; C175.1 v1(143.5,73.9) ; C174.1 v1(138.5,73.9) ; C179.1 v1(146,73.9) ; C178.1 v1(141,73.9)
  vias: v1(133,100) v1(133,99) v1(133,98) v1(133,97) v1(133,96) v1(133,95) v1(134,100) v1(134,99) v1(134,98) v1(134,97) v1(134,96) v1(134,95) v1(135,100) v1(135,99) v1(135,98) v1(135,97) v1(135,96) v1(135,95)
HVP_CW: length 12.3
  TOP w0.3: U3.C9 v1(137.9,63.8) ; U3.E5 v1(141.1,65.4) ; U3.B9 v1(137.9,63) ; U3.D9 v1(137.9,64.6) ; U3.E7 v1(139.5,65.4) ; U3.E8 v1(138.7,65.4) ; U3.A9 v1(137.9,62.2) ; U3.E9 v1(137.9,65.4) ; U3.E6 v1(140.3,65.4)
  TOP w0.8: C153.1 v1(139.2,60.5) ; C152.1 v1(141.6,60.5) ; C154.1 v1(144,60.5) ; C158.1 v1(136.8,60.5)
  BOTTOM w0.8: C156.1 v1(138,60.5) ; C150.1 v1(135.6,60.5) ; C157.1 v1(140.4,60.5) ; C151.1 v1(142.8,60.5) ; C155.1 v1(145.2,60.5)
  vias: v1(168,100) v1(168,99) v1(168,98) v1(168,97) v1(168,96) v1(168,95) v1(169,100) v1(169,99) v1(169,98) v1(169,97) v1(169,96) v1(169,95) v1(170,100) v1(170,99) v1(170,98) v1(170,97) v1(170,96) v1(170,95)
I2C_SCL: length 171
  TOP w0.25: U26.D9 v1(26,32.8) ; U34.6 163.95,27.73 v1(165.15,27.73)
  SIG1 w0.2: v1(26,32.8) 25.75,32.55 25.75,30.65 26.5,29.9 26.5,24.5 26,24 26,21.25 24.25,19.5 24.25,17 25.25,16 43.75,16 47.75,12 150.15,12 164.2,26.05 164.2,27.4 164.53,27.73 v1(165.15,27.73)
  BOTTOM w0.25: v1(26,32.8) R291.1 ; U8.2 v1(165.15,27.73)
I2C_SDA: length 167.9
  TOP w0.25: v1(165.15,29.02) 163.92,29.02 U34.5 ; U26.D10 v1(26.8,32.8)
  SIG1 w0.2: v1(26.8,32.8) 26.8,32.4 26.35,31.95 26.35,30.85 27.1,30.1 27.1,23.85 27,23.75 27,20.25 26.75,20 26.75,17.25 27.5,16.5 44.1,16.5 48,12.6 149.9,12.6 163.6,26.3 163.6,28 164.62,29.02 v1(165.15,29.02)
  BOTTOM w0.25: U8.4 v1(165.15,29.02) ; v1(26.8,32.8) R292.1
LVOUT_CH0: length 69
  TOP w0.13: v1(149.6,31.8) 149.4,31.6 C281.1 ; U3.M3 v1(142.7,71.8)
  TOP w0.14: v1(154.82,64) D21.2 D21.1
  SIG1 w0.14: v1(149.6,31.8) 151.8,31.8 164.1,44.1 164.1,59.1 159.8,63.4 157.1,63.4 156.5,64 v1(154.82,64)
  SIG2 w0.14: v1(142.7,71.8) 143.1,71.4 144.2,71.4 144.6,71 146.6,71 146.75,70.85 152.25,70.85 153.8,69.3 153.8,65.03 v1(154.82,64)
  BOTTOM w0.14: L2.2 154.84,64.44 154.82,64.42 v1(154.82,64)
  BOTTOM w0.25: v1(149.6,31.8) 149.4,32 C1972.1
LVOUT_CH1: length 69.2
  TOP w0.13: C287.1 149.4,32.4 v1(149.6,32.6) ; U3.L3 v1(142.7,71)
  TOP w0.14: v1(159.43,64) D23.2 D23.1
  SIG3 w0.14: v1(149.6,32.6) 152.4,32.6 162.6,42.8 162.6,61.6 160.2,64 v1(159.43,64)
  SIG4 w0.14: v1(159.43,64) 158.72,64.7 157.2,64.7 156.2,65.7 156.2,68.7 153,71.9 146.9,71.9 146.5,72.3 142.44,72.3 142.3,72.16 142.3,71.4 v1(142.7,71)
  BOTTOM w0.14: v1(159.43,64) 159.43,64.42 159.44,64.44 L3.2
  BOTTOM w0.25: C1973.1 149.4,32.8 v1(149.6,32.6)
LVOUT_CH2: length 83.6
  TOP w0.13: v1(149.6,33.4) 149.4,33.2 C288.1 ; U3.M4 v1(141.9,71.8)
  TOP w0.14: v1(154.82,67.6) D25.2 D25.1
  SIG2 w0.14: v1(154.82,67.6) 154.82,69.78 152.6,72 146.4,72 146.1,72.3 142.4,72.3 v1(141.9,71.8)
  SIG3 w0.14: v1(154.82,67.6) 154.82,70.03 156.2,71.4 156.2,74.2 157,75 158.6,75 159,75.4 160.2,75.4 161.2,74.4 161.2,67.4 158.8,65 158.8,63.6 161,61.4 161,42.6 151.8,33.4 v1(149.6,33.4)
  BOTTOM w0.14: L4.2 154.84,68.04 154.82,68.02 v1(154.82,67.6)
  BOTTOM w0.25: C1976.1 149.4,33.6 v1(149.6,33.4)
LVOUT_CH3: length 67.6
  TOP w0.13: C284.1 149.4,34 v1(149.6,34.2) ; U3.L4 v1(141.9,71)
  TOP w0.14: v1(159.43,67.6) D27.2 D27.1
  SIG3 w0.14: v1(159.43,67.6) 158,66.17 158,63.2 160,61.2 160,43.2 151,34.2 v1(149.6,34.2)
  SIG4 w0.14: v1(141.9,71) 141.5,71.4 141.5,72.5 142.3,73.3 153.9,73.3 159.43,67.78 v1(159.43,67.6)
  BOTTOM w0.14: v1(159.43,67.6) 159.43,68.02 159.44,68.04 L5.2
  BOTTOM w0.25: C1974.1 149.4,34.4 v1(149.6,34.2)
LVOUT_CH4: length 55.2
  TOP w0.115: D29.2 159.43,56.83 v1(159.4,56.8)
  TOP w0.13: v1(149.6,35) 149.4,34.8 C285.1 ; U3.B4 v1(141.9,63)
  TOP w0.14: v1(159.4,56.8) 159.4,58.4 ; D29.1 D29.2
  SIG1 w0.14: v1(141.9,63) 142.3,62.6 142.3,61.6 142.8,61.1 146.6,61.1 147,61.5 156.6,61.5 159.4,58.7 v1(159.4,56.8)
  SIG3 w0.14: v1(159.4,56.8) 159,56.4 159,43.8 150.2,35 v1(149.6,35)
  BOTTOM w0.14: L11.2 159.44,57.26 159.4,57.22 v1(159.4,56.8)
  BOTTOM w0.25: v1(149.6,35) 149.4,35.2 C1975.1
LVOUT_CH5: length 55.2
  TOP w0.13: C291.1 149.4,35.6 v1(149.6,35.8) ; U3.A4 v1(141.9,62.2)
  TOP w0.14: v1(154.82,56.8) D31.2 D31.1
  SIG1 w0.14: v1(149.6,35.8) 153.4,35.8 162.5,44.9 162.5,53.4 159.9,56 159.3,56 158.1,57.2 155.22,57.2 v1(154.82,56.8)
  SIG2 w0.14: v1(141.9,62.2) 141.9,62 142.8,61.1 145.7,61.1 147.6,59.2 152.43,59.2 v1(154.82,56.8)
  BOTTOM w0.14: L10.2 154.84,57.24 154.82,57.22 v1(154.82,56.8)
  BOTTOM w0.25: C1977.1 149.4,36 v1(149.6,35.8)